# Altium PCB RADG-B00-V00.PcbDoc (part 1 of 2) (continued)
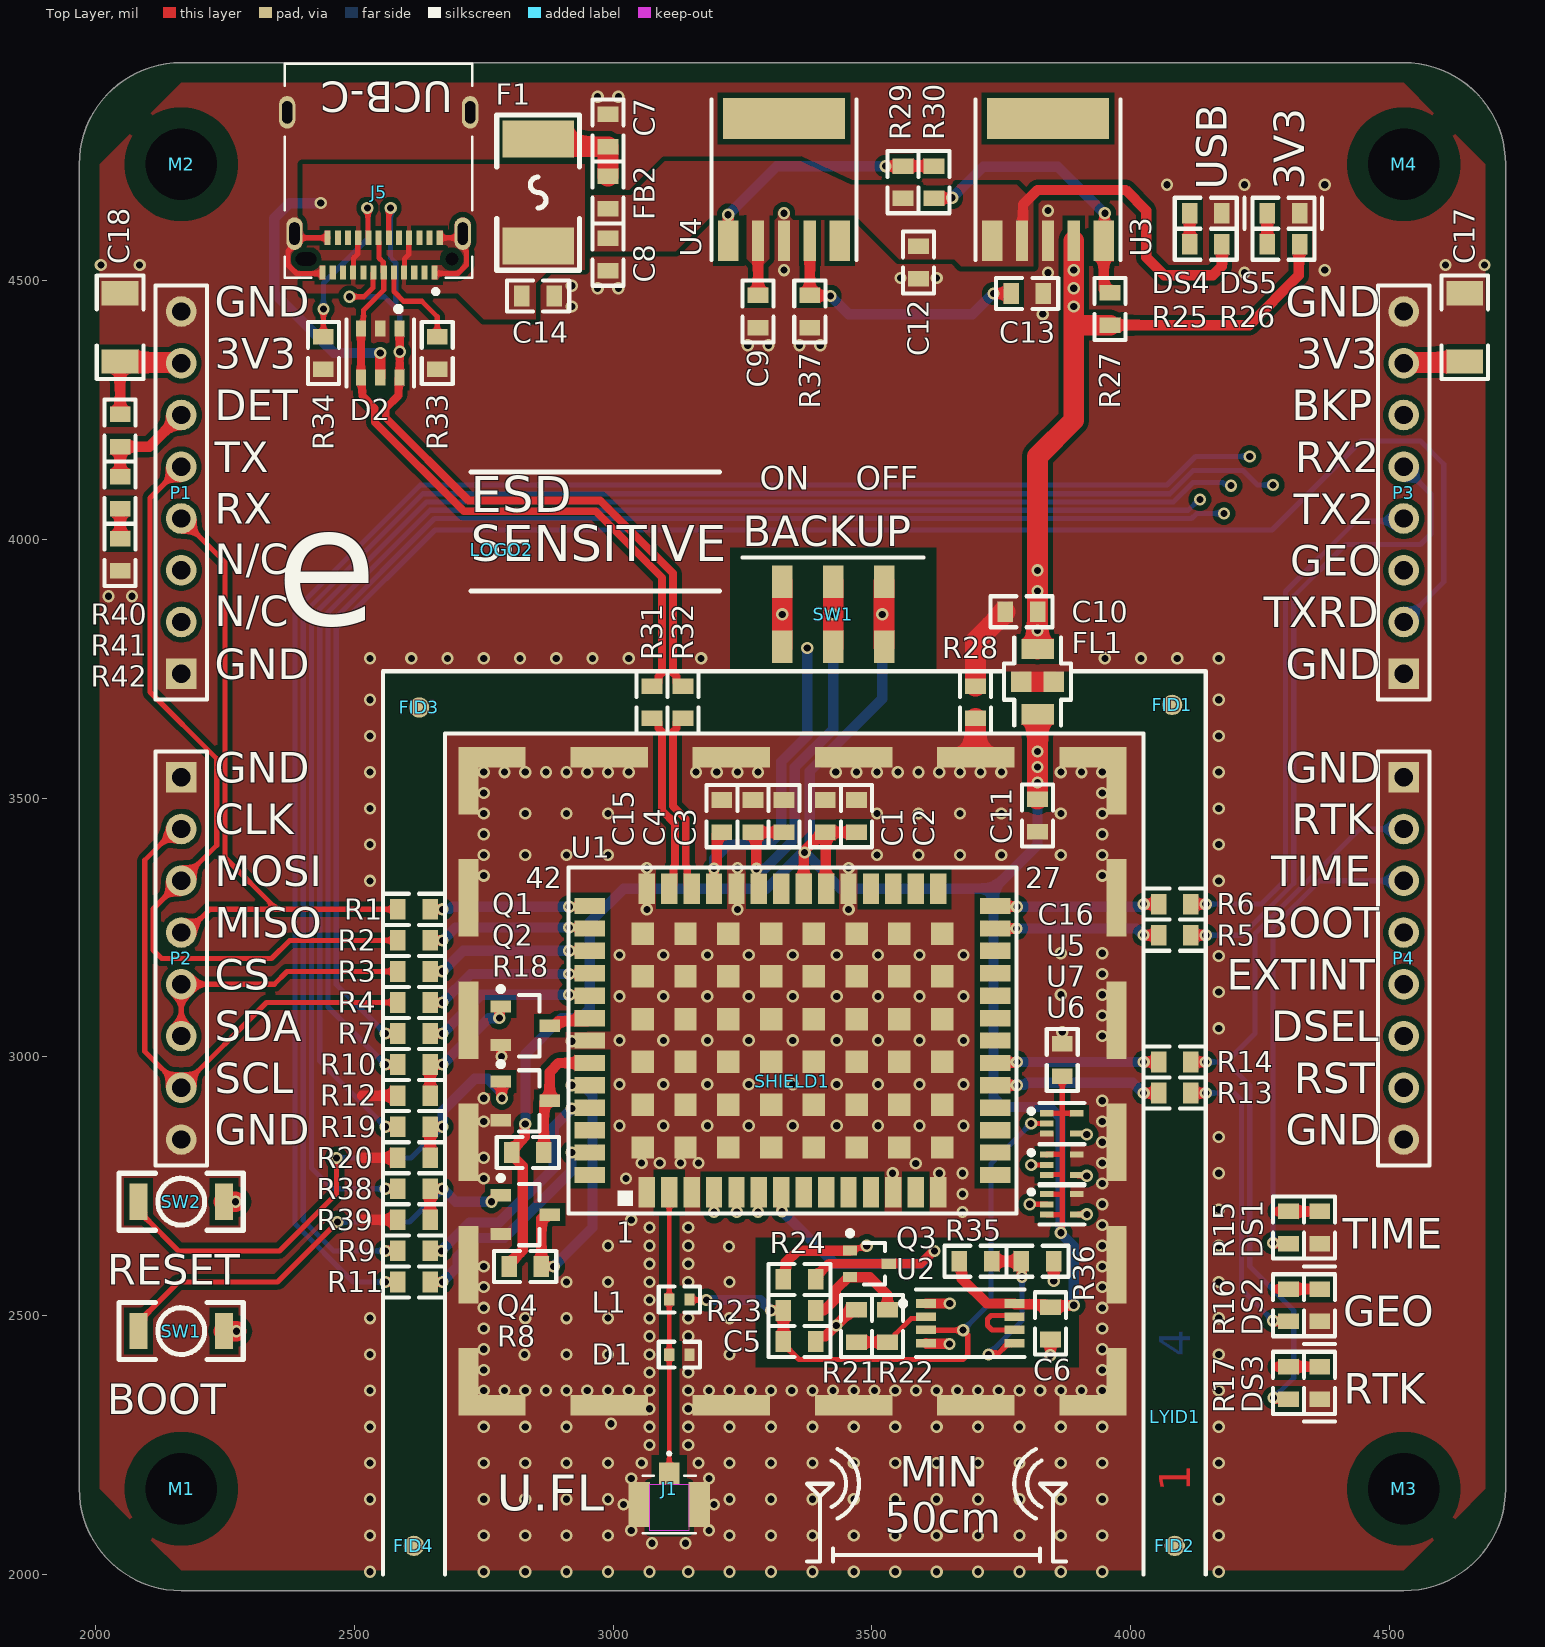
[diagram p0: Top Layer view]
## Design rules (kind name [scope] priority, off if disabled: settings)
Clearance "Schematic Clearance Constraint" [InNet('GPS RF IN')] p1: gap=14.5 ignorepadtopadclearanceinfootprint=FALSE except(0: SMDPad-SMDPad)
Clearance [All] p2: gap=10 ignorepadtopadclearanceinfootprint=FALSE except(0: Arc-Text Track-Text SMDPad-Text THPad-Text Via-Text Fill-Text Poly-Text Region-Text Text-Text Text-Hole; 6: Arc-Arc Arc-Track Arc-SMDPad Track-Track Track-SMDPad SMDPad-SMDPad)
DiffPairsRouting [All] p1: maxlimit=10 minlimit=6 mostfreqgap=10 toplayer_minwidth=10 toplayer_maxwidth=15 toplayer_prefwidth=10 midlayer1_minwidth=10 midlayer1_maxwidth=15 midlayer1_prefwidth=10 midlayer2_minwidth=10 midlayer2_maxwidth=15 midlayer2_prefwidth=10 bottomlayer_minwidth=10 bottomlayer_maxwidth=15 bottomlayer_prefwidth=10 maxuncoupledlength=500
MaxMinImpedance "Schematic Impedance Constraint" [InNet('GPS RF IN')] p1: minimum=49.50 maximum=50.50
PolygonConnect [All] p1: connectstyle=Direct reliefconductorwidth=10 reliefentries=4 polygonreliefangle="90 Angle" airgapwidth=10
RoutingVias [All] p1: holewidth=13.78 width=23.62 viastyle="Through Hole" minholewidth=13.78 minwidth=23.62 maxholewidth=13.78 maxwidth=23.62
SolderMaskExpansion [All] p1: expansion=4 istentingtop=FALSE
Width "Schematic Width Constraint" [InNet('GPS RF IN')] p1: maxlimit=10 minlimit=9 preferedwidth=10 toplayer_maxwidth=9 toplayer_prefwidth=9 midlayer1_minwidth=10 midlayer2_minwidth=10 bottomlayer_maxwidth=9 bottomlayer_prefwidth=9 minimp=50.000000 maximp=50.000000 favimp=50.000000
Width [All] p2: maxlimit=40 minlimit=10 preferedwidth=20 minimp=50.000000 maximp=50.000000 favimp=50.000000
29 further rules are at their usual default settings.

## Classes and differential pairs
component class Designator: P1 P2 P3 P4 R40 R41 R42
component class "Power Supply": C7 C8 C9 C10 C11 C12 C13 C17 C18 DS4 DS5 F1 FB2 FL1 R25 R26 R27 R28 R29 R30 R37 U3 U4
component class "GPS Module RF": ANT1 C5 C6 C16 D1 J1 L1 Q3 R21 R22 R23 R24 R35 R36 SHIELD1 U2 U5 U6 U7
component class RADG-Master-S00-V00: FID1 FID2 FID3 FID4 LOGO1 LOGO2 LYID1 M1 M2 M3 M4
component class "GPS Module": C1 C2 C3 C4 C15 DS1 DS2 DS3 Q1 Q2 Q4 R1 R2 R3 R4 R5 R6 R7 R8 R9 R10 R11 R12 R13 R14 R15 R16 R17 R18 R19 R20 R38 R39 SW1 SW2 U1
component class USB: C14 D2 J5 R31 R32 R33 R34
differential pair "USB D": +"USB D_P" -"USB D_N"
differential pair "USB DP": +"USB DP_P" -"USB DP_N"

## Components (designator, comment, footprint, x,y, rotation, side; value= is the part's Value field where it differs from the comment)
C1 "1uF" Cap_Ceramic_0603 3410,3465 r270 top
C2 "100nF" Cap_Ceramic_0603 3470,3465 r270 top
C3 "1uF" Cap_Ceramic_0603 3330,3465 r270 top
C4 "1uF" Cap_Ceramic_0603 3270,3465 r270 top
C5 "10nF" Cap_Ceramic_0603 3360,2450 r180 top
C6 "100nF" Cap_Ceramic_0603 3845,2485 r270 top
C7 "10nF" Cap_Ceramic_0603 2990,4790 r270 top
C8 "10nF" Cap_Ceramic_0603 2990,4550 r90 top
C9 "1uF" Cap_Ceramic_0603 3280,4440 r90 top
C10 "1uF" Cap_Ceramic_0603 3788.76,3860 r0 top
C11 "100nF" Cap_Ceramic_0603 3820,3466.24 r90 top
C12 "1uF" Cap_Ceramic_0603 3590,4535 r90 top
C13 "1uF" Cap_Ceramic_0603 3800,4475 r180 top
C14 "1uF" Cap_Ceramic_0603 2855,4470 r180 top
C15 "1uF" Cap_Ceramic_0603 3210,3465 r270 top
C16 "100nF" Cap_Ceramic_0603 3867.66,2993.9 r90 top
C17 "10uF 1206" Cap_Ceramic_1206 4645.67,4409.45 r270 top
C18 "10uF 1206" Cap_Ceramic_1206 2047.24,4409.45 r270 top
D1 "PESD0402-140" FERRITEBEAD_0402 3128,2424.48 r180 top
D2 "PRTR5V0U4D" SC-47 2550,4360 r270 top
DS1 "LED Yellow 0603" "LED YELLOW 0603" 4365,2670 r270 top
DS2 "LED Yellow 0603" "LED YELLOW 0603" 4365,2520 r270 top
DS3 "LED Yellow 0603" "LED YELLOW 0603" 4365,2370 r270 top
DS4 "LED Green 0603" "LED GREEN 0603" 4145,4630 r0 top
DS5 "LED Green 0603" "LED GREEN 0603" 4295,4630 r0 top
F1 "0ZCG0050FF2C" "1812 FUSE" 2855,4670 r90 top
FB2 "742792651" Inductor_0603 2990,4670 r270 top
FID1 "Fiducial 1MM" "FIDUCIAL 1MM" 4080,3680 r90 top
FID2 "Fiducial 1MM" "FIDUCIAL 1MM" 4085,2055 r180 top
FID3 "Fiducial 1MM" "FIDUCIAL 1MM" 2625,3675 r180 top
FID4 "Fiducial 1MM" "FIDUCIAL 1MM" 2615,2055 r180 top
FL1 "NFE31PT101C1E9L" NFE31PT101C1E9L 3820,3725 r270 top
J1 "U.FL-R-SMT-1(10)" "U.FL-R-SMT HIROSE" 3108.27,2134.96 r270 top
J5 "12401610E4#2A" 12401610E4#2A 2546.77,4541.54 r180 top locked
L1 "LQW15ANR12J00D" FERRITEBEAD_0402 3128,2530.87 r180 top
LOGO1 "30mm Wide QUTMS Logo" "QUTMS LOGO 30MM" 3937.01,4330.71 r180 bottom
LOGO2 "LBL ESD M" "LBL ESD MEDIUM" 2785,3980 r0 top
LYID1 "4 Layer Identification PCB Marker" "LAYER IDENT 4" 4085,2305 r90 top
M1 "Hole M3 Loose Unplated" "M3.5 UNPLATED" 2165.35,2165.35 r0 top locked
M2 "Hole M3 Loose Unplated" "M3.5 UNPLATED" 2165.35,4724.41 r0 top locked
M3 "Hole M3 Loose Unplated" "M3.5 UNPLATED" 4527.56,2165.35 r0 top locked
M4 "Hole M3 Loose Unplated" "M3.5 UNPLATED" 4527.56,4724.41 r0 top locked
P1 "Header 8" HDR1X8 2165.35,3740.16 r90 top locked
P2 "Header 8" HDR1X8 2165.35,3540.16 r270 top locked
P3 "Header 8" HDR1X8 4527.56,3740.16 r90 top locked
P4 "Header 8" HDR1X8 4527.56,3540.16 r270 top locked
Q1 "2N7002" SOT23-3 2830,3060 r0 top
Q2 "2N7002" SOT23-3 2830,2915 r0 top
Q3 "DMG1012UW-7" SC-70 3495,2600 r0 top
Q4 "2N7002" SOT23-3 2830,2695 r0 top
R1 "33R" Res_ThinFilm_0603 2615,3285 r0 top
R2 "33R" Res_ThinFilm_0603 2615,3225 r0 top
R3 "33R" Res_ThinFilm_0603 2615,3165 r0 top
R4 "33R" Res_ThinFilm_0603 2615,3105 r0 top
R5 "33R" Res_ThinFilm_0603 4085,3235 r180 top
R6 "33R" Res_ThinFilm_0603 4085,3295 r180 top
R7 "33R" Res_ThinFilm_0603 2615,3045 r0 top
R8 "10k" Res_ThinFilm_0603 2830,2595 r180 top
R9 "33R" Res_ThinFilm_0603 2615,2625 r0 top
R10 "33R" Res_ThinFilm_0603 2615,2985 r180 top
R11 "33R" Res_ThinFilm_0603 2615,2565 r0 top
R12 "10k" Res_ThinFilm_0603 2615,2925 r0 top
R13 "33R" Res_ThinFilm_0603 4085,2930 r180 top
R14 "33R" Res_ThinFilm_0603 4085,2990 r180 top
R15 "1k" Res_ThinFilm_0603 4305,2670 r270 top
R16 "1k" Res_ThinFilm_0603 4305,2520 r270 top
R17 "1k" Res_ThinFilm_0603 4305,2370 r270 top
R18 "10k" Res_ThinFilm_0603 2835,2815 r180 top
R19 "33R" Res_ThinFilm_0603 2615,2865 r180 top
R20 "10k" Res_ThinFilm_0603 2615,2805 r0 top
R21 "100k" Res_ThinFilm_0603 3470,2480 r270 top
R22 "1k" Res_ThinFilm_0603 3530,2480 r270 top
R23 "10R" Res_ThinFilm_0603 3360,2510 r180 top
R24 "100k" Res_ThinFilm_0603 3360,2570 r0 top
R25 "1k" Res_ThinFilm_0603 4145,4570 r0 top
R26 "1k" Res_ThinFilm_0603 4295,4570 r0 top
R27 "10k" Res_ThinFilm_0603 3960,4445 r270 top
R28 "0R" Res_ThinFilm_0603 3700,3685 r270 top
R29 "DNF 0603" Res_ThinFilm_0603 3560,4690 r90 top
R30 "0R" Res_ThinFilm_0603 3620,4690 r90 top
R31 "22R" Res_ThinFilm_0603 3075,3685 r270 top
R32 "22R" Res_ThinFilm_0603 3135,3685 r270 top
R33 "5k1 1%" Res_ThinFilm_0603 2660,4360 r90 top
R34 "5k1 1%" Res_ThinFilm_0603 2440,4360 r90 top
R35 "100k" Res_ThinFilm_0603 3700,2605 r0 top
R36 "100k" Res_ThinFilm_0603 3820,2605 r0 top
R37 "100k" Res_ThinFilm_0603 3380,4440 r90 top
R38 "33R" Res_ThinFilm_0603 2615,2745 r180 top
R39 "10k" Res_ThinFilm_0603 2615,2685 r0 top
R40 "10k" Res_ThinFilm_0603 2047.24,4210 r270 top
R41 "10k" Res_ThinFilm_0603 2047.24,4090 r270 top
R42 "10k" Res_ThinFilm_0603 2047.24,3970 r270 top
SHIELD1 "BMI-S-204-F" BMI-S-204-F 3346.46,2952.76 r0 top locked
SW1 "B3U-1000P" "BTN B3U-1000P" 2165.35,2470 r0 top
SW1 "JS202011JCQN" JS202011JCQN 3425,3855 r0 top
SW2 "B3U-1000P" "BTN B3U-1000P" 2165.35,2720 r0 top
U1 "ZED-F9P" UBLOX_ZED-F9P 3346.46,3031.5 r0 top
U2 "LT6001" MSOP-8 3690,2485 r0 top
U3 "MCP1826T-3302E/DC" SOT-223-5 3840,4695 r0 top
U4 "MCP1826T-3302E/DC" SOT-223-5 3330,4695 r0 top
U5 "SN74LVC1G126DRLR" SOT-553 3866.89,2871.22 r0 top
U6 "SN74LVC1G126DRLR" SOT-553 3866.89,2715 r0 top
U7 "SN74LVC1G126DRLR" SOT-553 3866.89,2791.22 r0 top

## Footprints (in the part's own frame and the unit in brackets; to place one, negate y for a bottom-side part, rotate by r counter-clockwise, add the part's x,y. Pads: shape width x height; smd on the part's side, far side on the other; paste and mask are expansions set on the pad)
"1812 FUSE" [mm]
  rect 1.8x3.5 smd: 1(-2.625,0) 2(2.625,0)
  silkscreen extent -3.81,-2.03 3.81,2.03, body extent -2.25,-1.6 2.25,1.6, height 0.58
12401610E4#2A [mm]
  rect 0.3x0.7 smd: A1(-2.75,0.66) A2(-2.25,0.66) A3(-1.75,0.66) A4(-1.25,0.66) A5(-0.75,0.66) A6(-0.25,0.66) A7(0.25,0.66) A8(0.75,0.66) A9(1.25,0.66) A10(1.75,0.66) A11(2.25,0.66) A12(2.75,0.66) B1(2.5,-1.04) B2(2,-1.04) B3(1.5,-1.04) B4(1,-1.04) B5(0.5,-1.04) B6(0,-1.04) B7(-0.5,-1.04) B8(-1,-1.04) B9(-1.5,-1.04) B10(-2,-1.04) B11(-2.5,-1.04) B12(-3,-1.04)
  oval 0.8x1.6 hole 0.5 slot 1.1 at 90 deg: S1(-4.13,-1.25) S2(4.13,-1.25) S3(4.49,-7.2) S4(-4.49,-7.2)
  round 0 hole 0.65 unplated: ""(-3.6,0)
  round 0 hole 0.65 slot 1.016 at 0 deg unplated mask+0: ""(3.559,0)
  silkscreen extent -4.6,-9.59 4.6,1.7, body extent -4.6,-9.53 4.6,1.02, height 3.3
BMI-S-204-F [mm]
  rect 1x3.3 smd: 1(-15.9,-14.75) 1(-15.9,14.75) 1(15.9,-14.75) 1(15.9,14.75)
  rect 1x3.8 smd: 1(-15.9,-9) 1(-15.9,-3) 1(-15.9,3) 1(-15.9,9) 1(15.9,-9) 1(15.9,-3) 1(15.9,3) 1(15.9,9)
  rect 3.3x1 smd: 1(-14.75,-15.9) 1(-14.75,15.9) 1(14.75,-15.9) 1(14.75,15.9)
  rect 3.8x1 smd: 1(-9,-15.9) 1(-9,15.9) 1(-3,-15.9) 1(-3,15.9) 1(3,-15.9) 1(3,15.9) 1(9,-15.9) 1(9,15.9)
  body extent -16.31,-16.31 16.31,16.31, height 23.13
"BTN B3U-1000P" [mil] "OMRON B3U-1000P"
  rect 35x70 smd: 1(-82.68,0) 2(82.68,0)
  silkscreen extent -120,-55 120,55, body extent -79,-49 79,49, height 63
Cap_Ceramic_0603 [mil]
  rect 30x40 smd: 1(-31.24,0) 2(31.24,0)
  silkscreen extent -60,-30 60,30, body extent -31,-16 32,16, height 33
Cap_Ceramic_1206 [mil]
  rect 47x71 smd: 1(-66.08,0) 2(66.08,0)
  silkscreen extent -100,-45 100,45, body extent -63,-31 63,32, height 53
FERRITEBEAD_0402 [mm]
  rect 0.5x0.6 smd: 1(-0.5,0) 2(0.5,0)
  silkscreen extent -1.02,-0.64 1.02,0.64, body extent -0.5,-0.25 0.5,0.25, height 0.5
"FIDUCIAL 1MM" [mm]
  round 1 smd mask+1: 1(0,0)
  round 1 smd far side mask+1: 1(0,0)
  Top Layer pour cut-out: 0.003,-1.516 -0.579,-1.4 -1.073,-1.07 -1.403,-0.577 -1.518,0.006 -1.518,0.006 -1.403,0.588 -1.073,1.081 -0.579,1.411 0.003,1.527 0.003,1.527 0.585,1.411 1.078,1.081 1.408,0.588 1.524,0.006 1.524,0.006 1.408,-0.577 1.078,-1.07 0.585,-1.4 0.003,-1.516
  Bottom Layer pour cut-out: 0.003,-1.516 -0.579,-1.4 -1.073,-1.07 -1.403,-0.577 -1.518,0.006 -1.518,0.006 -1.315,0.766 -0.758,1.323 0.003,1.527 0.003,1.527 0.585,1.411 1.078,1.081 1.408,0.588 1.524,0.006 1.524,0.006 1.408,-0.577 1.078,-1.07 0.585,-1.4 0.003,-1.516
HDR1X8 [mm] "Connector; Header; 8 Position"
  rect 1.5x1.5 hole 0.9: 1(0,0)
  round 1.5 hole 0.9: 2(2.54,0) 3(5.08,0) 4(7.62,0) 5(10.16,0) 6(12.7,0) 7(15.24,0) 8(17.78,0)
  silkscreen extent -1.27,-1.27 19.05,1.27
Inductor_0603 [mil]
  rect 30x40 smd: 1(-31.24,0) 2(31.24,0)
  silkscreen extent -60,-30 60,30, body extent -31,-16 32,16, height 18
JS202011JCQN [mm]
  rect 1x1.6 smd: 1(-2.5,1.6) 2(0,1.6) 3(2.5,1.6) 4(-2.5,-1.6) 5(0,-1.6) 6(2.5,-1.6)
  silkscreen extent -4.44,-2.79 4.44,2.79, body extent -4.5,-1.8 4.5,1.8, height 5.62
"LAYER IDENT 4" [mil]
  Top Layer pour cut-out: -180,50 -180,-50 180,-50 180,50
  Layer 1 pour cut-out: -180,50 -180,-50 180,-50 180,50
  Layer 2 pour cut-out: -180,50 -180,-50 180,-50 180,50
  Bottom Layer pour cut-out: -180,50 -180,-50 180,-50 180,50
"LBL ESD MEDIUM" [mil]
"LED GREEN 0603" [mil]
  rect 30x40 smd: 1(-31.24,0) 2(31.24,0)
  silkscreen extent -60,-30 75,30, body extent -40,-20 40,20, height 30
"LED YELLOW 0603" [mil]
  rect 30x40 smd: 1(-31.24,0) 2(31.24,0)
  silkscreen extent -60,-30 75,30, body extent -40,-20 40,20, height 30
"M3.5 UNPLATED" [mm]
  round 0 hole 3.5 unplated mask+2.6: 1(0,0)
  Top Layer pour cut-out: 0,-2.794 -1.069,-2.581 -1.976,-1.976 -2.581,-1.069 -2.794,0 -2.794,0 -2.581,1.069 -1.976,1.976 -1.069,2.581 0,2.794 0,2.794 1.069,2.581 1.976,1.976 2.581,1.069 2.794,0 2.794,0 2.581,-1.069 1.976,-1.976 1.069,-2.581 0,-2.794
  Bottom Layer pour cut-out: 0,-2.794 -1.069,-2.581 -1.976,-1.976 -2.581,-1.069 -2.794,0 -2.794,0 -2.581,1.069 -1.976,1.976 -1.069,2.581 0,2.794 0,2.794 1.069,2.581 1.976,1.976 2.581,1.069 2.794,0 2.794,0 2.581,-1.069 1.976,-1.976 1.069,-2.581 0,-2.794
MSOP-8 [mm]
  rect 1x0.419 smd: 1(-2.171,0.975) 2(-2.171,0.325) 3(-2.171,-0.325) 4(-2.171,-0.975) 5(2.171,-0.975) 6(2.171,-0.325) 7(2.171,0.325) 8(2.171,0.975)
  silkscreen extent -3.43,-1.65 2.67,1.65, body extent -2.45,-1.5 2.45,1.5, height 1
NFE31PT101C1E9L [mm]
  rect 1x1.6 smd: 1(-1.6,0) 3(1.6,0)
  rect 1x1 smd: 2(0,0.8) 2(0,-0.8)
  silkscreen extent -2.16,-1.65 2.16,1.65, body extent -1.6,-0.89 1.6,0.86, height 1.61
"QUTMS LOGO 30MM" [mil]
  silkscreen extent -1,1 1182,398
Res_ThinFilm_0603 [mil]
  rect 30x40 smd: 1(-31.24,0) 2(31.24,0)
  silkscreen extent -60,-30 60,30, body extent -31,-16 32,16, height 18
SC-47 [mm]
  rect 0.8x0.5 smd: 1(-1.2,0.95) 2(-1.2,0) 3(-1.2,-0.95) 4(1.2,-0.95) 5(1.2,0) 6(1.2,0.95)
  silkscreen extent -2.29,-1.65 1.65,1.65, body extent -1.3,-1.45 1.3,1.45, height 1.14
SC-70 [mm]
  rect 0.7x0.5 smd: D(0.95,0) G(-0.95,0.65) S(-0.95,-0.65)
  silkscreen extent -1.07,-1.02 0.76,1.62, body extent -1.05,-1 1.05,1, height 1.1
SOT23-3 [mm] "SOT23, 3-Leads, Body 2.90x2.45mm, Pitch 0.95mm, IPC Medium Density"
  rect 1x0.6 smd: D(1.2,0) G(-1.2,0.95) S(-1.2,-0.95)
  silkscreen extent -1.32,-1.5 0.7,1.92, body extent -1.3,-1.5 1.3,1.5, height 1.1
SOT-223-5 [mm]
  rect 1x2 smd: 1(-2.74,-3) 5(2.74,-3)
  rect 0.6x2 smd: 2(-1.27,-3) 3(0,-3) 4(1.27,-3)
  rect 6x2 smd: EP(0,3)
  silkscreen extent -3.56,-3.94 3.56,3.94, body extent -3.27,-3.63 3.28,3.63, height 1.8
SOT-553 [mm]
  rect 0.67x0.3 smd: 1(-0.74,0.5) 2(-0.74,0) 3(-0.74,-0.5) 4(0.74,-0.5) 5(0.74,0.5)
  silkscreen extent -1.6,-1 1.1,1, body extent -0.8,-0.8 0.8,0.8, height 0.6
"U.FL-R-SMT HIROSE" [mm]
  rect 1.05x1 smd: 1(-1.525,0)
  rect 2.2x1.05 smd: 2(0,1.475) 2(0,-1.475)
  Keep-Out Layer region: 1.3,-0.95 -1,-0.95 -1,0.95 1.3,0.95
  silkscreen extent -2.57,-1.3 1.42,1.3, body extent -1.55,-1.5 1.55,1.5, height 1.25
UBLOX_ZED-F9P [mm]
  rect 0.8x1.5 smd: 1(-7.15,-7.45) 2(-6.05,-7.45) 3(-4.95,-7.45) 4(-3.85,-7.45) 5(-2.75,-7.45) 6(-1.65,-7.45) 7(-0.55,-7.45) 8(0.55,-7.45) 9(1.65,-7.45) 10(2.75,-7.45) 11(3.85,-7.45) 12(4.95,-7.45) 13(6.05,-7.45) 14(7.15,-7.45) 28(7.15,7.45) 29(6.05,7.45) 30(4.95,7.45) 31(3.85,7.45) 32(2.75,7.45) 33(1.65,7.45) 34(0.55,7.45) 35(-0.55,7.45) 36(-1.65,7.45) 37(-2.75,7.45) 38(-3.85,7.45) 39(-4.95,7.45) 40(-6.05,7.45) 41(-7.15,7.45)
  rect 1.5x0.8 smd: 15(9.95,-6.6) 16(9.95,-5.5) 17(9.95,-4.4) 18(9.95,-3.3) 19(9.95,-2.2) 20(9.95,-1.1) 21(9.95,0) 22(9.95,1.1) 23(9.95,2.2) 24(9.95,3.3) 25(9.95,4.4) 26(9.95,5.5) 27(9.95,6.6) 42(-9.95,6.6) 43(-9.95,5.5) 44(-9.95,4.4) 45(-9.95,3.3) 46(-9.95,2.2) 47(-9.95,1.1) 48(-9.95,0) 49(-9.95,-1.1) 50(-9.95,-2.2) 51(-9.95,-3.3) 52(-9.95,-4.4) 53(-9.95,-5.5) 54(-9.95,-6.6)
  rect 1.1x1.1 smd: 55(-7.35,-5.25) 55(-7.35,-3.15) 55(-7.35,-1.05) 55(-7.35,1.05) 55(-7.35,3.15) 55(-7.35,5.25) 55(-5.25,-5.25) 55(-5.25,-3.15) 55(-5.25,-1.05) 55(-5.25,1.05) 55(-5.25,3.15) 55(-5.25,5.25) 55(-3.15,-5.25) 55(-3.15,-3.15) 55(-3.15,-1.05) 55(-3.15,1.05) 55(-3.15,3.15) 55(-3.15,5.25) 55(-1.05,-5.25) 55(-1.05,-3.15) 55(-1.05,-1.05) 55(-1.05,1.05) 55(-1.05,3.15) 55(-1.05,5.25) 55(1.05,-5.25) 55(1.05,-3.15) 55(1.05,-1.05) 55(1.05,1.05) 55(1.05,3.15) 55(1.05,5.25) 55(3.15,-5.25) 55(3.15,-3.15) 55(3.15,-1.05) 55(3.15,1.05) 55(3.15,3.15) 55(3.15,5.25) 55(5.25,-5.25) 55(5.25,-3.15) 55(5.25,-1.05) 55(5.25,1.05) 55(5.25,3.15) 55(5.25,5.25) 55(7.35,-5.25) 55(7.35,-3.15) 55(7.35,-1.05) 55(7.35,1.05) 55(7.35,3.15) 55(7.35,5.25)
  silkscreen extent -11,-8.5 11,8.5, body extent -11,-8.5 11,8.5, height 2.3

## Part data
C1 C3 C4 C9 C10 C12 C13 C14 C15: library part "1uF 25V 5% X7R 0603", "Capacitor, Ceramic, SMD, 1uF, 25V, 5%, X7R, 0603"
C2 C6 C11 C16: library part "100nF 50V 5% X7R 0603", "Capacitor, Ceramic, SMD, 100nF, 50V, 5%, X7R, 0603"
C5 C7 C8: library part "10nF 50V 5% X7R 0603", "Capacitor, Ceramic, SMD, 10nF, 50V, 5%, X7R, 0603"
C17 C18: library part "10uF 25V 10% X7R 1206", "Capacitor, Ceramic, SMD, 10uF, 25V, 10%, X7R, 1206"
D1: "40V Clamp Ipp Tvs Diode Surface Mount 0402"
D2: "Clamp Ipp Tvs Diode Surface Mount 6-TSOP"
F1: "Polymeric PTC Resettable Fuse 16V 500mA Ih Surface Mount 1812 (4532 Metric), Concave"
FB2: "600 Ohms @ 100MHz 1 Signal Line Ferrite Bead 0603 (1608 Metric) 1A 200mOhm"
FL1: "LC (T-Type) EMI Filter 3rd Order Low Pass 1 Channel C = 100pF 6A 1206 (3216 Metric), 3 PC Pad"
J1: "U.FL (UMCC) Connector Receptacle, Male Pin 50Ohm Surface Mount Solder,  H11891CT-ND"
J5: "USB-C (USB TYPE-C) USB 3.2 Gen 2 (USB 3.1 Gen 2, Superspeed + (USB 3.1)) Receptacle Connector 24 Position Surface Mount, Right Angle; Through Hole"
L1: "120nH Unshielded Wirewound Inductor 110mA 2.66Ohm Max 0402 (1005 Metric)"
LOGO1: library part "QUTMS Logo 30mm"
LYID1: library part "Layer Identification 4"
M1 M2 M3 M4: "M3.5 Hole, No Plating"
P1 P2 P3 P4: "Header, 8-Pin", LatestRevisionDate=17-Jul-2002, LatestRevisionNote="Re-released for DXP Platform.", Publisher="Altium Limited"
Q3: "N-Channel 20V 1A (Ta) 290mW (Ta) Surface Mount SOT-323"
R1 R2 R3 R4 R5 R6 R7 R9 R10 R11 R13 R14 R19 R38: library part "33R 5% 0603", "Resistor, SMD, 33R, 0.1W, 5%, 0603"
R8 R12 R18 R20 R27 R39 R40 R41 R42: library part "10k 5% 0603", "Resistor, SMD, 10k, 0.1W, 5%, 0603"
R15 R16 R17 R22 R25 R26: library part "1k 5% 0603", "Resistor, SMD, 1k, 0.1W, 5%, 0603"
R21 R24 R35 R36 R37: library part "100k 5%, 0603", "Resistor, SMD, 100k, 0.1W, 5%, 0603"
R23: library part "10R 5% 0603", "Resistor, SMD, 10R, 0.1W, 5%, 0603"
R28 R30: library part "0R 5% 0603", "Resistor, SMD, 0R, 0.1W, 5%, 0603"
R29: "Resistor, SMD, DNF, 0.1W, 0603"
R31 R32: library part "22R 5% 0603", "Resistor, SMD, 22R, 0.1W, 5%, 0603"
R33 R34: library part "5k1 1% 0603", "Resistor, SMD, 5k1, 0.1W, 1%, 0603"
SHIELD1: "RF Shield Frame 1.260\" (32.00mm) X 1.260\" (32.00mm) Solder"
SW1 SW2: library part "BTN B3U-1000P", "Omron B3U-1000P Ultra Miniture Switch", ComponentLink1Description=LCSC, ComponentLink1URL=https://lcsc.com/product-detail/Tactile-Switches_BRIGHT-TSA063G50-250_C294565.html
SW1: library part "SLIDE DPDT JS202011JCQN"
U2: "General Purpose Amplifier 2 Circuit Rail-to-Rail 8-MSOP"
U3 U4: "Linear Voltage Regulator IC Positive Fixed 1 Output 1A SOT-223-5"
U5 U6 U7: "Buffer, Non-Inverting 1 Element 1 Bit per Element 3-State Output SOT-5"

## Via types
v1: diameter 23.62, hole 13.78, Top Layer to Bottom Layer, tented both sides, 478 vias

## Nets (pads, with @x,y where several pads share a name; then routed paths per layer and width w, separated by ;. In a path a pad name is that pad's centre, name@x,y a point inside that pad or via, vN(x,y) a via of type N, cw(c..) or ccw(c..) an arc to the next point about the centre after c; other vN are vias at no path point)
3V3: C1.2 C2.2 C6.1 C11.2 C16.1 FL1.3 R8.2 R18.2 R35.1 SW1.3 SW1.6 U1.33 U1.34 U2.8 U5.1 U5.5 U6.1 U6.3 U7.1 U7.3 | length 4738.9
  Top Layer w10: U6.3@3837.76,2695.32 3838.07,2695 3865.94,2695 ; U6.1@3837.76,2734.68 3837.85,2734.59 3867.66,2734.59 ; U7.3@3837.76,2771.54 3838.66,2772.44 3866.43,2772.44 3867.66,2773.67 ; U7.1@3837.76,2810.91 3838.66,2811.81 3866.73,2811.81 3867.66,2812.75 ; U5.1@3837.76,2890.91 3867.66,2890.91 ; v1(3865,2660) 3867.61,2662.61 3867.61,2672.24 3867.66,2672.29 3867.66,2695 3867.66,2734.59 ; C16.1@3870,2965 C16.1@3867.66,2962.66 3867.66,2890.91 ; U5.5@3896.02,2890.91 3867.66,2890.91 ; 3867.66,2734.59 3867.66,2773.67 ; 3867.66,2773.67 3867.66,2812.75 ; 3867.66,2812.75 3867.66,2890.91
  Top Layer w20: R8.2@2798.76,2595 2798.76,2600 2825,2626.24 2825,2788.76 2808.76,2805 2808.76,2810 R18.2@2803.76,2815 2803.76,2820 2829.31,2845.54 2829.31,2869.31 v1(2830,2870) ; U1.34@3368.11,3324.8 3368.11,3392.14 3369.99,3394.02 v1(3369.99,3395) ; v1@3368.11,3396.87 3400,3428.76 3405,3428.76 C1.2@3410,3433.76 ; U1.33@3411.42,3324.8 3410.71,3325.51 3410.71,3433.06 C1.2@3410,3433.76 ; C2.2@3470,3433.76 C1.2@3410,3433.76 ; SW1.6@3520.69,3794.74 SW1.6@3523.43,3792.01 ; v1@3520.69,3854.31 v1(3520,3855) v1@3520.69,3855.69 ; SW1.3@3520.69,3915.26 SW1.3@3523.43,3917.99 ; R35.1@3668.76,2605 3673.76,2600 3673.76,2571.24 3721.61,2523.39 U2.8@3775.47,2523.39 3776.81,2522.05 3834.19,2522.05 3840,2516.24 C6.1@3845,2516.24 3848.07,2519.31 3889.31,2519.31 v1(3890,2520)
  Top Layer w40: SW1.6@3523.43,3792.01 SW1.3@3523.43,3917.99 ; C11.2@3820,3497.47 v1(3820,3530) v1(3820,3560) v1(3820,3590) FL1.3@3820,3662.01
  Bottom Layer w20: v1(2830,2870) 2830.69,2870.69 2830.69,3005.69 2900,3075 2937.43,3075 2955,3092.57 2955,3260 3020,3325 3296.24,3325 v1@3368.11,3396.87 ; v1(3520,3855) 3520,3691.46 3380,3551.46 3380,3409.74 3368.11,3397.85 v1@3368.11,3396.87 ; v1(3820,3590) v1(3820,3560) v1(3820,3530) 3820,3410 3735,3325 ; v1(3890,2520) 3890,2634.02 3865,2659.02 v1(3865,2660) 3864.31,2660.69 3864.31,2882.43 3843.7,2903.03 3752.57,2903.03 3735,2920.61 3735,3325 ; v1@3368.11,3396.87 3439.98,3325 3735,3325
"3V3 LED": DS5.1 R26.1 | length 60
  Top Layer w20: R26.1@4263.76,4570 DS5.1@4263.76,4630
5V: C8.2 C9.2 C12.2 FB2.2 R25.2 R29.1 U3.1 U3.2 U4.2 | length 743.2
  Top Layer w20: C9.2@3280,4471.24 U4.2@3280,4576.89 ; U3.2@3790,4576.89 3791.81,4578.7 3791.81,4646.81 3820,4675 3990,4675 4030,4635 4030,4545 4065,4510 4158.66,4510 4176.24,4527.57 R25.2@4176.24,4570
"5V LED": DS4.1 R25.1 | length 60
  Top Layer w20: R25.1@4113.76,4570 DS4.1@4113.76,4630
"ANT DET B COMP": U2.6 U2.7 | length 123.8
  Top Layer w10: U2.6@3775.47,2472.2 3732.2,2472.2 3723.42,2480.99 3723.42,2493.42 3730,2500 3773.27,2500 U2.7@3775.47,2497.8
"ANT DET B FEED": R35.2 R36.1 U2.5 | length 324.4
  Top Layer w10: v1(3725,2425) 3727.61,2427.61 3745.03,2427.61 3764.04,2446.61 U2.5@3775.47,2446.61
  Top Layer w20: R35.2@3731.24,2605 R36.1@3788.76,2605 3789.38,2604.38 3789.38,2575.62 v1(3790,2575)
  Bottom Layer w10: v1(3725,2425) 3790,2490 v1(3790,2575)
"ANT DET COMP": R21.2 R22.2 U2.2 | length 157.8
  Top Layer w10: R22.2@3530,2448.76 3535,2448.76 3545,2458.76 3545,2463.76 3575.78,2494.55 3601.28,2494.55 U2.2@3604.53,2497.8
  Top Layer w20: R21.2@3470,2448.76 R22.2@3530,2448.76
BACKUP: P3.6 SW1.1@3326.57,3917.99 SW1.4 | length 1546
  Top Layer w40: SW1.4@3326.57,3792.01 SW1.1@3326.57,3917.99
  Layer 2 w40: v1(3326.57,3855) 3326.57,3956.57 3610.16,4240.16 P3.6@4527.56,4240.16
"CON DSEL": P4.6 R10.2 | length 3893
  Top Layer w20: v1(2560,2985) R10.2@2583.76,2985
  Layer 2 w10: v1(4180,4050) 4180,4002.12 4386,3796.12 4386,3181.72 P4.6@4527.56,3040.16
  Bottom Layer w10: v1(2560,2985) 2449,3096 2449,3834 2655,4040 4117.63,4040 4127.63,4050 v1(4180,4050)
"CON DSEL M": Q1.G R10.1 R12.2 | length 254.7
  Top Layer w20: R12.2@2646.24,2925 R10.1@2646.24,2985 v1(2670,2985) ; v1(2780,3075) 2780.69,3075.69 2780.69,3095.59 2782.5,3097.4 Q1.G@2782.76,3097.4
  Bottom Layer w20: v1(2670,2985) 2759.31,3074.31 2779.31,3074.31 v1(2780,3075)
"CON EXTINT": P4.5 R9.1 | length 4548.6
  Top Layer w20: v1(2560,2625) R9.1@2583.76,2625
  Layer 2 w10: v1(4275,4105) 4275,3975 4434,3816 4434,3696 4490,3640 4550,3640 4605,3585 4605,3217.6 P4.5@4527.56,3140.16
  Bottom Layer w10: v1(2560,2625) 2460,2625 2401,2684 2401,3856.25 2632.75,4088 4075.63,4088 4120.82,4133.19 4216.81,4133.19 4245,4105 v1(4275,4105)
"CON GEOFENCE": P3.3 R13.1 R16.2 | length 2373.6
  Top Layer w20: R13.1@4116.24,2930 v1(4145,2930) ; v1(4275,2490) 4275.62,2489.38 4304.38,2489.38 R16.2@4305,2488.76
  Layer 2 w10: v1(4145,2930) 4230,2930 4435,2725 4570,2725 4625,2780 4625,3842.72 P3.3@4527.56,3940.16
  Bottom Layer w10: v1(4145,2930) 4200,2930 4214,2916 4214,2551 v1(4275,2490)
"CON RESET": P4.7 R19.2 | length 4151.7
  Top Layer w20: v1(2560,2865) R19.2@2583.76,2865
  Layer 2 w10: v1(4133.64,4076.81) 4133.64,4025.85 4370,3789.49 4370,3097.72 P4.7@4527.56,2940.16
  Bottom Layer w10: v1(2560,2865) 2433,2992 2433,3843 2646,4056 4111,4056 4131.81,4076.81 v1(4133.64,4076.81)
"CON RESET M": Q2.G R19.1 R20.2 SW2.1 | length 1086
  Top Layer w10: SW2.1@2082.68,2720 2082.68,2702.5 2095.18,2690 2160.18,2625 2355,2625 2465.07,2735.07 v1(2465.07,2804.37)
  Top Layer w20: R20.2@2646.24,2805 R19.1@2646.24,2865 v1(2670,2865) ; Q2.G@2782.76,2952.4 2784.31,2950.85 2784.31,2920.69 v1(2785,2920)
  Bottom Layer w10: v1(2465.07,2804.37) 2609.37,2804.37 v1@2670.69,2865.69
  Bottom Layer w20: v1@2670.69,2865.69 2670.69,2895.51 2732.57,2957.39 2757.43,2957.39 2784.31,2930.51 2784.31,2920.69 v1(2785,2920)
"CON RTK STAT": P4.2 R14.1 R17.2 | length 1459.1
  Top Layer w20: R14.1@4116.24,2990 v1(4145,2990) ; v1(4276.24,2341.22) 4278.7,2338.76 R17.2@4305,2338.76
  Bottom Layer w10: v1(4145,2990) 4185,2990 ; v1(4276.24,2341.22) 4315,2379.98 4315,2510 4230,2595 4230,2945 4185,2990 ; P4.2@4527.56,3440.16 4442.53,3440.16 4240,3237.63 4240,3045 4185,2990
"CON RXD2": P3.5 R5.1 | length 1261.6
  Top Layer w20: R5.1@4116.24,3235 v1(4145,3235)
  Bottom Layer w10: v1(4145,3235) 4214.75,3235 4315,3335.25 4315,3890 4415,3990 4560,3990 4580,4010 4580,4087.72 P3.5@4527.56,4140.16
"CON RXD / SPI MOSI": P1.5 P2.3 R2.1 | length 1559.9
  Top Layer w10: P2.3@2165.35,3340.16 2111,3285.8 2111,3206.57 2127.57,3190 2340,3190 2375,3225 R2.1@2583.76,3225 ; P1.5@2165.35,4140.16 2105,4079.8 2105,3705 2234,3576 2234,3408.8 2170.16,3344.96 P2.3@2170.16,3340.16
  Top Layer w20: P2.3@2165.35,3340.16 P2.3@2170.16,3340.16
"CON SAFEBOOT": P4.4 R38.2 | length 4137.1
  Top Layer w20: v1(2560,2745) R38.2@2583.76,2745
  Layer 2 w10: v1(4193.62,4103.62) 4243,4054.24 4243,3961.75 4402,3802.75 4402,3365.72 P4.4@4527.56,3240.16
  Bottom Layer w10: v1(2560,2745) 2456.63,2745 2417,2784.63 2417,3849.63 2639.37,4072 4082.25,4072 4120.25,4110 4178.02,4110 4181.8,4106.23 4191.02,4106.23 v1(4193.62,4103.62)
"CON SAFEBOOT M": Q4.G R38.1 R39.2 SW1.1@2082.68,2470 | length 925
  Top Layer w10: SW1.1@2082.68,2470 2082.68,2487.5 2160.18,2565 2351.31,2565 v1(2467.03,2680.71)
  Top Layer w20: R39.2@2646.24,2685 R38.1@2646.24,2745 v1(2670,2745) ; v1(2765,2720) 2765.69,2720.69 2765.69,2723.21 2774.88,2732.4 Q4.G@2782.76,2732.4
  Bottom Layer w10: v1(2467.03,2680.71) 2606.69,2680.71 v1@2670.98,2745
  Bottom Layer w20: v1@2670.98,2745 2695.98,2720 v1(2765,2720)
"CON SCL / SPI CLK": P2.2 P2.7 R4.1 | length 1050.9
  Top Layer w10: P2.2@2155.16,3440.16 2095,3380 2095,3010.51 P2.7@2165.35,2940.16 2330.2,3105 R4.1@2583.76,3105
  Top Layer w20: P2.2@2155.16,3440.16 P2.2@2165.35,3440.16
"CON SDA / SPI CS": P2.5 P2.6 R3.1 | length 528.7
  Top Layer w10: P2.6@2165.35,3040.16 P2.5@2165.35,3140.16 2345.16,3140.16 2370,3165 R3.1@2583.76,3165
"CON TIMEPULSE": P4.3 R11.1 R15.2 | length 5272.4
  Top Layer w20: v1(2560,2565) R11.1@2583.76,2565 ; v1(4275,2640) 4275.62,2639.38 4304.38,2639.38 R15.2@4305,2638.76
  Layer 2 w10: v1(4230,4160) 4230,4089.87 4259,4060.87 4259,3968.37 4418,3809.37 4418,3449.72 P4.3@4527.56,3340.16
  Bottom Layer w10: v1(2560,2565) 2497.37,2565 2385,2677.37 2385,3862.88 2627.12,4105 4070,4105 4125,4160 v1(4230,4160) ; v1(4275,2640) 4275,3250 4365.16,3340.16 P4.3@4527.56,3340.16
"CON TX READY": P3.2 R7.1 | length 3491.3
  Top Layer w20: v1(2560,3045) R7.1@2583.76,3045
  Bottom Layer w10: v1(2560,3045) 2465,3140 2465,3827.37 2655.82,4018.19 4273.19,4018.19 4445,4190 4560,4190 4605,4145 4605,3917.6 P3.2@4527.56,3840.16
"CON TXD2": P3.4 R6.1 | length 1046.3
  Top Layer w20: R6.1@4116.24,3295 v1(4145,3295)
  Bottom Layer w10: v1(4145,3295) 4252.12,3295 4299,3341.88 4299,3899 4435,4035 4522.4,4035 P3.4@4527.56,4040.16
"CON TXD / SPI MISO": P1.4 P2.4 R1.1 | length 1268.6
  Top Layer w10: P1.4@2165.35,4040.16 2250,3955.51 2250,3385 2350,3285 ; P2.4@2175.92,3240.16 2220.77,3285 2350,3285 ; R1.1@2583.76,3285 2350,3285
  Top Layer w20: P2.4@2165.35,3240.16 P2.4@2175.92,3240.16
"DET REF": P1.6 R40.2 R41.1 | length 201.1
  Top Layer w20: R41.1@2047.24,4121.24 R40.2@2047.24,4178.76 2103.96,4178.76 P1.6@2165.35,4240.16
"DET REF B": R41.2 R42.1 | length 57.5
  Top Layer w20: R42.1@2047.24,4001.24 R41.2@2047.24,4058.76
"GEOFENCE LED": DS2.1 R16.1 | length 60
  Top Layer w20: R16.1@4285,2551.24 DS2.1@4345,2551.24